# KiCad board MegaDrive.kicad_pcb (continued)
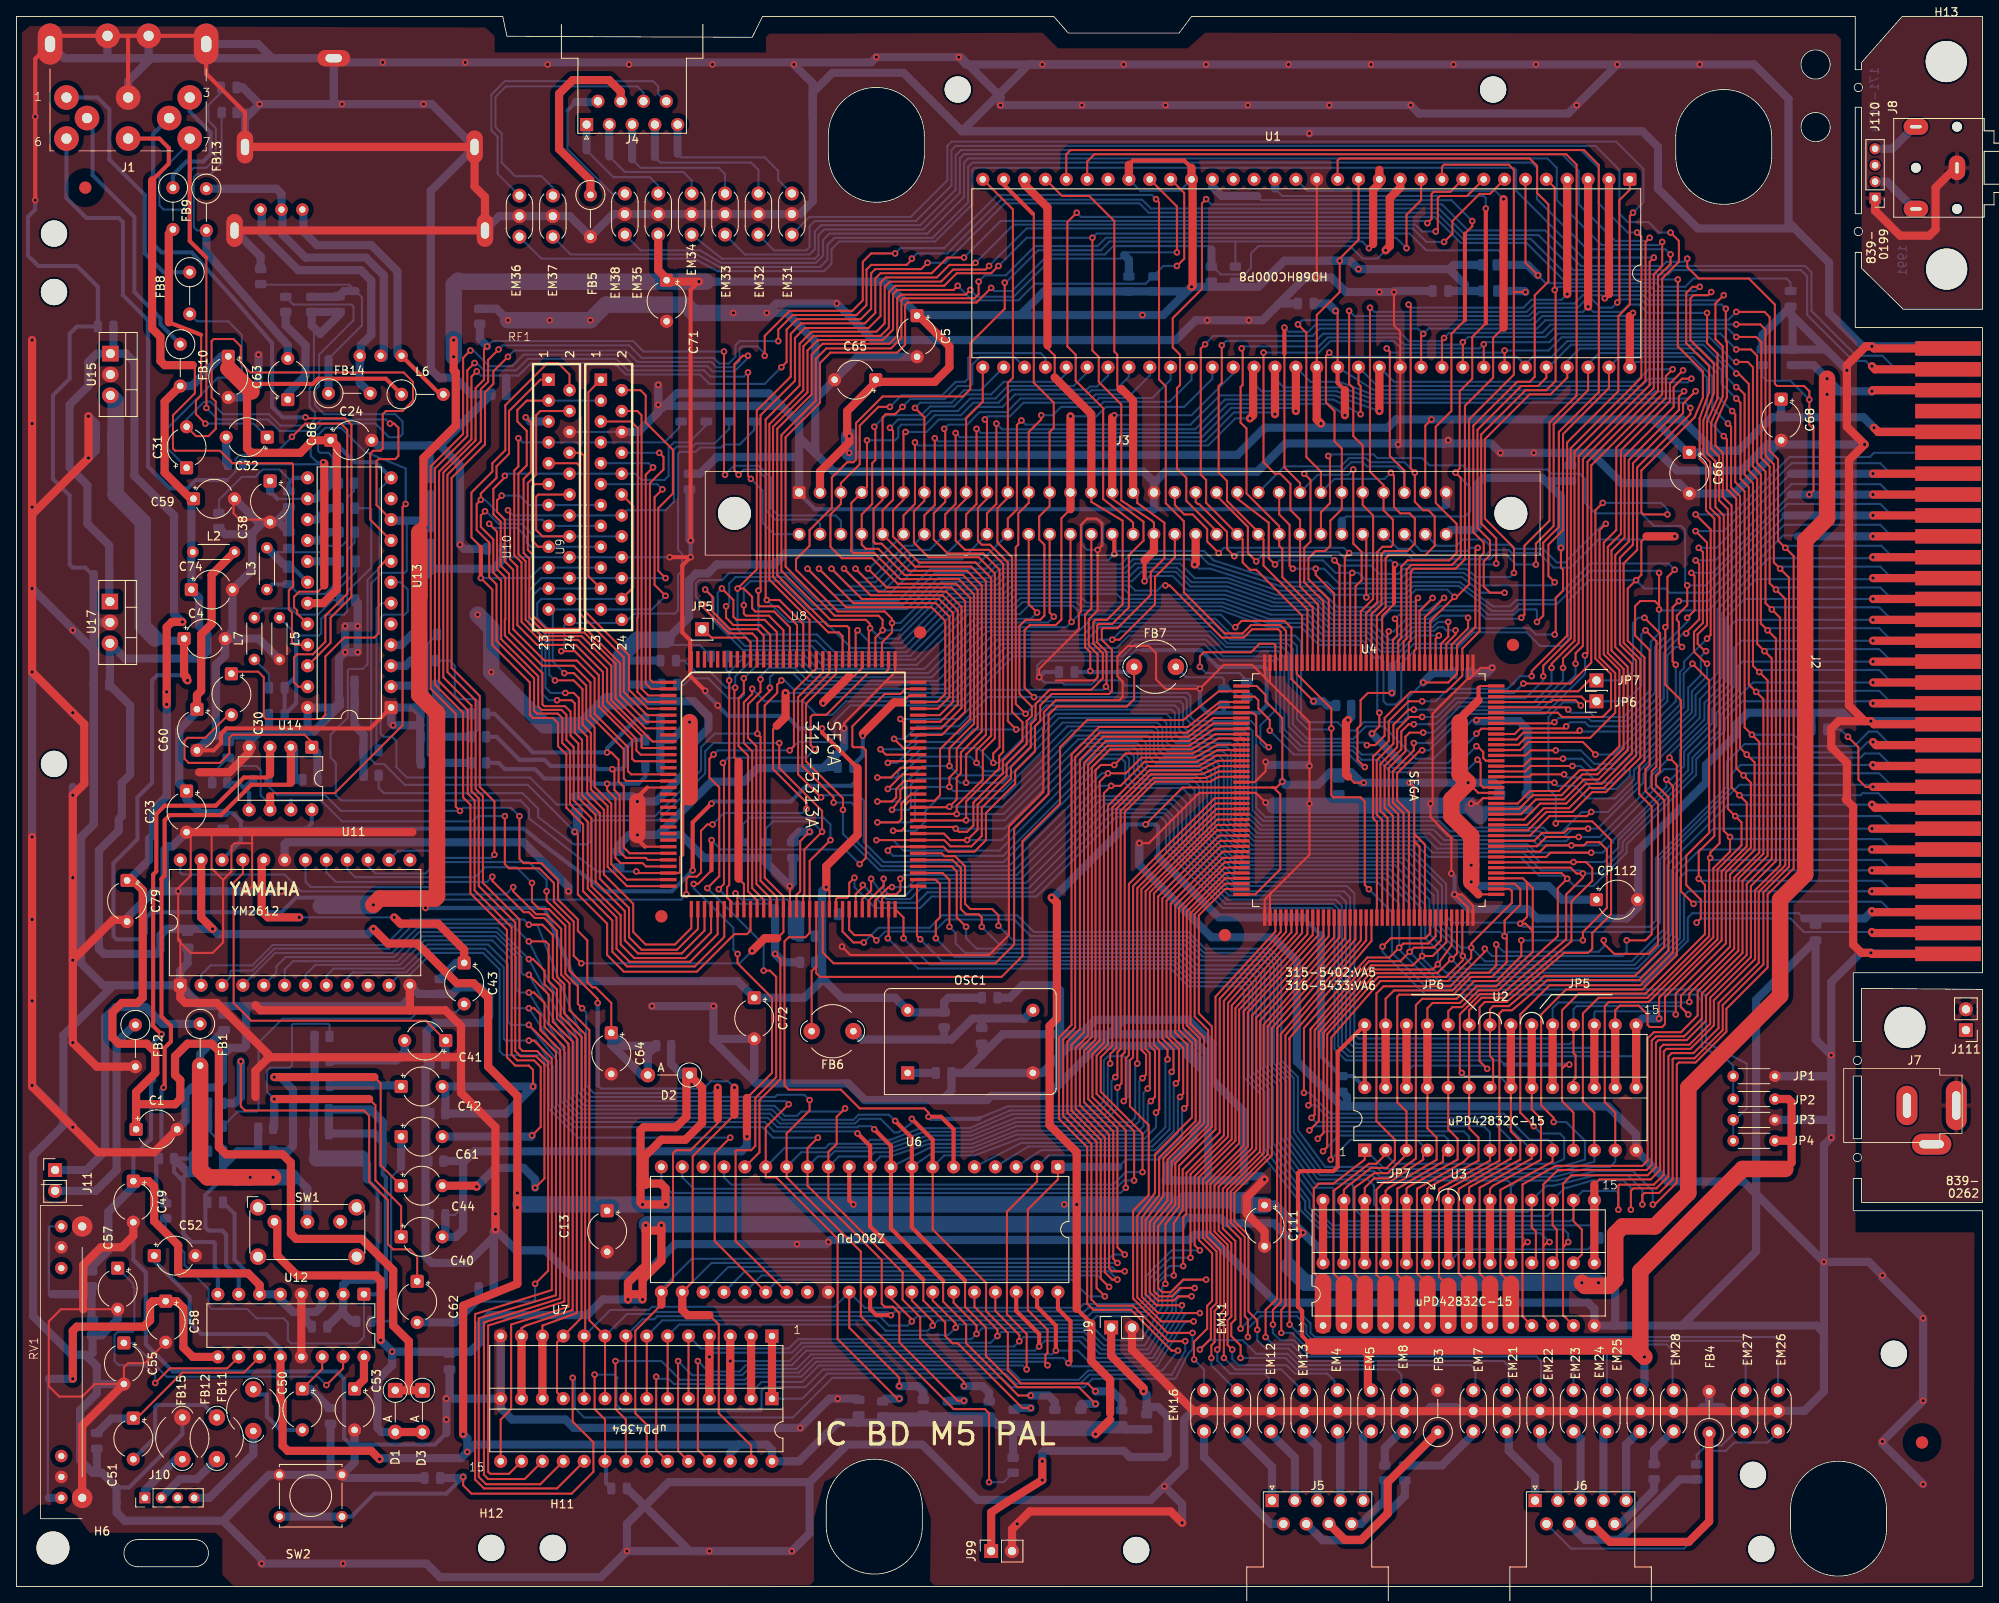
[diagram p0: board, top side]
## Routing (per net, layer and track width the routed paths; a pad name or vN(x,y) marks a point on that pad's centre or on a via; arc(x,y) is an arc through that point) (continued)
/~{CART}: length 98.7
  Top w0.25: v1(187.2,115.82) 187.32,115.95 187.32,120.27 188.21,121.16 188.21,123.7 187.96,123.95 v1(187.96,126.37) ; v1(152.53,104.14) 152.53,105.41 151.13,106.81 151.13,107.82 150.69,108.26 149.46,108.26 ; v1(167.39,108.71) 164.46,108.71 163.58,107.82 163.58,104.78 163.19,104.39 163.19,100.58 v1(164.08,99.7)
  Bottom w0.25: v1(152.53,104.14) 155.45,101.22 162.18,101.22 163.7,99.7 v1(164.08,99.7) ; v1(187.2,115.82) 184.91,115.82 184.15,116.59 177.16,116.59 175.26,114.68 170.05,114.68 167.39,112.01
  Bottom w1: 186.06,134.49 186.06,134.5 C119.1 ; 186.06,134.49 185.67,134.87 178.56,134.87 177.93,134.24 177.93,129.16 177.29,128.52 174.5,128.52 J3.b32 ; 186.06,134.49 187.96,132.59 v1(187.96,126.37) ; 167.39,112.01 v1(167.39,108.71)
/~{CAS0}: length 248.9
  Top w0.25: 179.71,105.01 187.01,105.01 v1(187.16,105.16) ; v1(204.09,83.06) 202.56,84.58 202.56,107.82 200.66,109.73 v1(200.66,116.71) 200.91,116.97 200.91,122.81 v1(201.8,123.7) ; U8.118 90.13,115.35 89.53,115.95 86.74,115.95 83.57,119.13 v1(83.57,119.51)
  Top w0.5: 133.6,127.76 v1(133.6,125.6)
  Bottom w0.25: v1(200.66,116.71) 200.66,115.57 199.39,114.3 199.39,108.71 195.96,105.28 191.64,105.28 191.26,105.66 187.67,105.66 v1(187.16,105.16) ; J2.a3 228.22,82.04 226.95,83.31 204.34,83.31 v1(204.09,83.06) ; v1(201.8,123.7) 201.04,124.46 191.52,124.46 187.07,120.02 182.5,120.02 181.74,119.25 179.7,119.25 175.64,122.17 169.8,122.17 169.04,121.41 160.27,121.41 159.51,122.17 154.05,122.17 145.67,124.84 144.53,125.98 133.99,125.98 v1(133.6,125.6) 132.84,124.84 119,124.84 117.98,123.83 111.25,123.83 107.32,119.89 97.41,119.89 93.98,123.32 86.74,123.32 85.85,122.43 83.06,122.43 82.68,122.05 82.68,120.4 v1(83.57,119.51)
/~{CAS2}: length 230.6
  Top w0.25: v1(218.19,132.84) 218.69,133.35 218.69,140.84 218.19,141.35 v1(218.19,144.4) 218.19,145.42 217.55,146.05 214.25,146.05 214,146.3 214,155.96 210.82,159.13 204.72,159.13 203.33,160.53 v1(203.33,161.54) ; v1(144.78,168.78) 144.27,168.28 144.27,157.86 140.72,154.31 140.72,150.75 141.61,149.86 141.61,146.18 141.22,145.8 141.22,136.02 142.37,134.87 142.37,132.08 146.05,128.4 ; 179.71,103.71 182.32,103.71 183.01,104.39 188.34,104.39 v1(188.6,104.65) ; v1(203.83,123.32) 204.22,122.94 204.22,118.75 v1(203.33,117.86)
  Top w1: J2.b23 v1(225.93,132.84)
  Bottom w0.25: v1(188.6,104.65) 189.1,105.16 190.88,105.16 191.39,104.65 196.21,104.65 199.9,108.33 199.9,113.92 203.33,117.35 v1(203.33,117.86) ; C93.1 212.47,147.19 212.98,146.69 215.9,146.69 v1(218.19,144.4) ; v1(203.33,161.54) 202.95,161.16 200.79,161.16 200.28,160.66 190.37,160.66 186.06,164.97 176.66,164.97 173.48,168.15 145.42,168.15 v1(144.78,168.78) ; v1(203.83,123.32) 206.38,123.32 215.9,132.84
  Bottom w1: 215.9,132.84 v1(218.19,132.84) v1(225.93,132.84)
/~{CE0}: length 205.4
  Top w0.25: v1(202.18,159) 202.18,150.88 205.23,147.83 205.23,144.65 204.22,142.24 197.74,135.76 197.74,130.68 197.99,130.43 v1(200.91,130.43) ; v1(129.03,167.13) 127.89,165.99 127.89,150.88 128.91,149.86 128.91,146.69 132.25,143.34 132.25,132.29 135.64,129.67 135.89,129.41 J3.b17 ; 179.71,106.31 187.57,106.31 188.09,105.79 193.04,105.79 194.06,106.81 194.06,111 192.15,112.9 192.15,130.94 v1(193.04,131.83)
  Bottom w0.25: v1(129.03,167.13) 129.54,166.62 172.59,166.62 175.77,163.45 183.77,163.45 188.2,159.02 202.17,159.02 v1(202.18,159) ; v1(193.04,131.83) 200.15,131.83 200.91,131.06 v1(200.91,130.43)
/~{DISK}: length 100.3
  Top w0.25: v1(189.36,99.82) 184.28,99.82 183.61,99.16 179.71,99.16 ; v1(203.96,112.27) 205.99,110.24 205.99,91.69 203.2,88.9 203.2,85.34 204.98,83.57 204.98,81.28 v1(204.47,80.77)
  Top w1: v1(225.81,79.63) 225.93,79.5 J2.b2
  Bottom w0.25: v1(225.81,79.63) 217.55,79.63 215.9,81.28 204.98,81.28 v1(204.47,80.77) ; v1(203.96,112.27) 203.96,112.14 202.89,111.07 202.89,107 195.71,99.82 195.71,99.06 194.44,97.79 192.41,97.79 190.37,99.82 v1(189.36,99.82)
/~{DTAK}: length 190
  Top w0.25: U1.10 173.48,172.72 173.74,172.97 181.61,172.97 182.23,172.36 182.23,147.43 176.78,141.99 176.78,121.92 175.26,120.4 v1(175.01,120.4) 172.06,117.45 172.06,112.01 ; U8.114 93.33,116.34 91.57,118.11 88.77,118.11 88.52,118.36 v1(88.52,119.38) ; 182.23,157.48 v1(183.64,157.48)
  Top w1: v1(143.38,124.33) 143.51,124.46 J3.b20
  Bottom w0.25: v1(175.01,120.4) 174.13,121.27 170.3,121.27 169.29,120.27 166.37,120.27 165.23,119.13 160.78,119.13 158.75,121.16 153.54,121.16 145.28,123.83 143.89,123.83 v1(143.38,124.33) 142.75,124.97 135.89,124.97 134.75,123.83 119.63,123.83 118.49,122.68 112.14,122.68 108.39,118.93 96.46,118.93 93.09,122.3 89.28,122.3 88.52,121.54 v1(88.52,119.38)
  Bottom w1: R8.1 183.51,157.61 v1(183.64,157.48)
/~{EOE}: length 145
  Top w0.25: U3.22 174.24,48.39 180.47,51.82 180.47,69.72 180.85,70.1 181.99,70.1 185.29,72.9 186.31,73.79 197.49,73.79 201.04,77.34 201.04,96.01 199.52,97.54 199.52,98.68 200.02,99.19 200.02,115.95 v1(198.12,117.86) ; 179.71,108.91 190.06,108.91 191.39,110.24 192.41,110.24
  Top w1: U3.22 U3.22
  Bottom w0.25: C117.1 191.26,41.02 175.89,41.02 U3.22 ; v1(198.12,117.86) 197.36,117.86 196.72,117.22 196.72,111.38 195.58,110.24 192.41,110.24
/~{FDC}: length 88
  Top w0.25: v1(188.34,98.81) 184.4,98.81 184.11,98.51 179.71,98.51 ; v1(204.34,128.4) 205.73,127.01 205.73,116.96 204.6,115.82 204.6,114.68 205.49,113.79 v1(205.61,113.79)
  Bottom w0.25: v1(204.34,128.4) 207.77,128.4 216.03,136.65 226.82,136.65 228.09,135.38 J2.a24 ; v1(188.34,98.81) 188.72,98.43 190.37,98.43 191.77,97.03 194.69,97.03 196.34,98.68 196.34,99.57 203.44,106.67 203.44,109.34 204.98,110.87 204.98,113.16 v1(205.61,113.79)
/~{FDHR}: length 86.3
  Top w0.25: v1(205.74,112.27) 205.61,112.27 204.15,113.73 204.15,116.14 205.23,117.22 205.23,125.86 v1(204.72,126.37) ; 179.71,97.86 187.09,97.86 v1(187.16,97.79)
  Top w1: J2.b24 v1(225.93,135.38)
  Bottom w0.25: v1(204.72,126.37) 206.88,126.37 215.25,134.74 215.28,134.74 215.92,135.38 ; v1(187.16,97.79) 187.54,97.41 189.61,97.41 191.13,95.89 194.56,95.89 196.85,98.17 196.85,99.31 203.89,106.36 203.89,108.9 205.74,110.74 v1(205.74,112.27)
  Bottom w1: v1(225.93,135.38) 215.92,135.38
/~{HALT}: length 90.8
  Top w0.25: 180.98,153.16 179.7,151.89 179.7,147.07 176.28,143.64 176.28,124.97 175.13,123.83 170.05,123.83 169.67,123.44 169.67,115.06 169.46,114.85 169.46,112.01
  Top w1: v1(180.98,168.78) 180.98,153.16
  Bottom w0.25: v1(180.98,168.78) 179.96,169.8 157.1,169.8 U1.17
/~{HL}: length 138.8
  Top w0.25: v1(89.53,109.22) 89.53,108.59 88.52,107.57 88.52,102.62 89.53,101.6 89.53,84.96 90.93,83.57 U8.44 ; 179.71,97.21 178.51,97.21 178.18,97.54 178.18,100.2 v1(177.8,100.58)
  Bottom w0.25: v1(177.8,100.58) 176.28,99.06 167.26,99.06 165.74,100.58 163.7,100.58 162.56,101.73 156.08,101.73 153.8,104.01 153.8,112.52 153.16,113.16 146.81,113.16 144.78,115.19 136.02,115.19 134.49,113.67 120.9,113.67 114.93,107.7 100.96,107.7 99.31,106.05 97.41,106.05 95.76,107.7 91.06,107.7 v1(89.53,109.22)
/~{HSYNC}: length 137.2
  Top w0.25: J3.b14 128.27,117.48 v1(128.4,117.35) ; U8.43 90.13,83.48 89.03,84.58 89.03,101.09 87.88,102.24 87.88,108.08 88.52,108.71 v1(88.52,110.49) ; v1(148.34,116.71) 149.1,117.48 154.31,117.48 155.16,116.62 155.16,110.4 v1(157.86,107.7)
  Bottom w0.25: C116.1 81.28,109.73 82.04,110.49 84.2,110.49 86.61,108.08 88.14,108.08 88.52,108.46 v1(88.52,110.49) 90.3,112.27 95.25,112.27 96.9,110.62 111.38,110.62 117.48,116.71 127.76,116.71 v1(128.4,117.35) 129.29,118.24 146.56,118.24 148.08,116.71 v1(148.34,116.71)
  Bottom w1: v1(157.86,107.7) 159,107.7 159.51,107.19 R67.1
/~{INTAK}: length 66.5
  Top w0.25: U8.103 102.13,116.1 v1(102.36,116.33) ; v1(139.83,121.79) 140.33,121.79 146.69,115.44 149.35,115.44 150.37,116.46 153.54,116.46 153.86,116.15 153.86,112.01
  Bottom w0.25: v1(102.36,116.33) 103.89,114.81 107.7,114.81 113.67,120.78 120.14,120.78 121.16,121.79 135.51,121.79 136.14,121.16 138.81,121.16 139.45,121.79 v1(139.83,121.79)
/~{INT}: length 89.6
  Top w0.25: U8.98 106.13,111.59 105.66,111.13 103.63,111.13 98.55,106.05 96.9,106.05 96.65,105.79 96.65,102.36 v1(97.16,101.85) ; v1(92.33,76.96) 92.96,76.33 92.96,61.72 90.42,59.18 90.42,52.83 U6.16 ; v1(85.98,100.2) 86.11,100.08 86.11,85.47 v1(85.47,84.84)
  Bottom w0.25: v1(85.47,84.84) 87.25,83.06 91.82,83.06 92.33,82.55 ; v1(97.16,101.85) 96.14,100.84 86.61,100.84 v1(85.98,100.2)
  Bottom w1: 92.33,82.55 v1(92.33,76.96) 93.35,75.95 R15.1
/~{IREQ}: length 191.9
  Top w0.25: v1(135,48.51) 135,55.5 130.94,59.56 130.94,64.77 132.33,66.17 132.33,96.52 v1(133.22,97.41) 134.37,97.41 137.29,100.33 143.64,100.33 146.18,101.76 149.46,101.76 ; U8.106 99.73,111.04 96.08,107.38 96.08,100.39 100.58,95.89 v1(100.58,94.49)
  Bottom w0.25: v1(135,48.51) 134.37,47.88 79.76,47.88 78.49,49.15 U6.20 ; v1(100.58,94.49) 100.58,91.57 105.03,87.12 121.41,87.12 131.7,97.41 v1(133.22,97.41)
/~{JAP}: length 64.9
  Top w0.25: v1(166.24,77.85) 167.26,78.87 171.45,78.87 172.06,79.47 172.06,81.76
  Bottom w0.25: v1(166.24,77.85) 166.24,77.22 171.45,72.01 204.34,72.01 205.11,71.25 205.11,65.66 208.41,63.88 208.92,63.37 JP2.1
/~{LDS}: length 243.2
  Top w0.25: v1(172.72,164.85) 172.97,165.1 172.97,168.91 173.23,169.16 176.53,169.16 U1.8 ; v1(175.13,116.33) 175.13,115.82 174.01,114.7 174.01,112.01 ; v1(116.71,161.04) 116.46,160.78 113.54,160.78 112.01,159.26 105.79,159.26 105.16,158.62 105.16,154.56 103.7,153.1 95.95,153.1 94.74,151.89 94.74,146.69 90.55,142.49 90.55,121.41 v1(90.3,121.16) 90.3,119.38 90.42,119.25 92.71,119.25 95,116.97 95,113.01
  Bottom w0.25: v1(116.71,161.04) 121.35,165.68 170.24,165.68 171.07,164.85 v1(172.72,164.85) ; v1(175.13,116.33) 173.99,116.33 173.61,116.71 172.99,116.71 172.97,116.69 172.97,116.59 172.87,116.59 172.54,116.26 170.11,116.26 168.02,114.17 166.37,114.17 164.41,116.14 159.33,116.14 157.23,118.24 152.65,118.24 147.07,120.14 134.49,120.14 133.86,120.78 121.79,120.78 120.78,119.76 114.43,119.76 108.33,113.67 99.57,113.67 97.41,115.82 90.8,115.82 90.3,116.33 v1(90.3,121.16)
/~{LWR}: length 315.6
  Top w0.25: v1(86.36,119.25) 86.36,117.86 87.25,116.97 90.55,116.97 91.73,115.79 U8.116 ; 179.71,106.96 188.57,106.96 v1(188.85,106.68) ; v1(164.27,120.34) 164.27,127.58 ; U2.27 166.62,71.5 167.64,72.52 174.75,72.52 176.91,74.68 179.2,74.68 180.09,75.57 v1(180.09,78.11) ; v1(199.9,123.32) v1(199.9,118.87) 199.9,119.38 199.39,119.89 197.61,119.89 196.98,119.25 196.98,115.7 198.75,113.92 198.75,99.95 198.25,99.44 198.25,96.77 199.77,95.25 199.77,78.11 198.63,76.96 194.44,76.96 193.17,78.23 v1(193.17,78.61)
  Top w1: J2.b21 v1(225.93,127.76) ; U2.27 U2.27
  Bottom w0.25: v1(188.85,106.68) 189.23,106.3 191.52,106.3 192.02,105.79 195.58,105.79 198.88,109.09 198.88,114.94 199.9,115.95 v1(199.9,118.87) 200.02,118.75 205.87,118.75 215.01,127.89 216.66,127.89 216.79,127.76 ; v1(199.9,123.32) 199.64,123.57 191.52,123.57 187.45,119.51 182.88,119.51 182.06,118.69 179.58,118.69 178.24,119.7 177.8,120.02 175.81,121.5 175.5,121.72 169.99,121.72 169.04,120.78 164.71,120.78 v1(164.27,120.34) 163.96,120.65 160.15,120.65 159.13,121.67 153.92,121.67 145.03,124.46 144.02,125.48 135.51,125.48 134.37,124.33 119.38,124.33 118.36,123.32 111.76,123.32 107.82,119.38 96.9,119.38 93.47,122.81 87.5,122.81 86.74,122.05 86.74,119.63 v1(86.36,119.25) ; v1(180.09,78.11) 180.98,77.22 192.53,77.22 193.17,77.85 v1(193.17,78.61)
  Bottom w1: v1(225.93,127.76) 216.79,127.76
/~{M1}: length 182.5
  Top w0.25: v1(84.07,84.96) 85.53,86.42 85.53,97.22 84.33,98.43 84.33,100.71 v1(84.84,101.22) ; 149.46,106.31 150.49,106.31 150.88,105.92 150.88,103.63 v1(152.4,102.11) ; U6.27 87.52,42.02 87.52,52.98 87.63,53.09 89.41,53.09 89.92,53.59 89.92,59.44 92.46,61.98 92.46,74.17 91.69,74.93 v1(90.93,74.93) ; v1(94.11,101.73) 94.61,102.24 94.61,108.97 97.33,111.68 U8.109
  Bottom w0.25: v1(84.07,84.96) 90.93,78.11 v1(90.93,74.93) ; v1(152.4,102.11) 151.89,102.11 151.38,102.62 151.38,104.78 153.29,106.68 153.29,112.27 152.91,112.65 146.56,112.65 144.53,114.68 136.14,114.68 134.62,113.16 121.29,113.16 115.32,107.19 101.47,107.19 99.57,105.28 99.57,103.38 98.93,102.74 95.12,102.74 v1(94.11,101.73) 85.34,101.73 v1(84.84,101.22)
/~{M3}: length 164.7
  Top w0.25: v1(171.2,109.98) 174.24,109.98 175.31,111.04 175.31,114.47 177.55,116.71 177.55,126.07 v1(177.84,126.37) ; U8.45 91.73,83.78 90.04,85.47 90.04,102.24 89.03,103.25 89.03,107.32 90.55,108.84 v1(90.55,110.36)
  Bottom w0.25: J3.b30 170.94,125.98 176.53,125.98 176.91,126.37 v1(177.84,126.37) ; v1(171.2,109.98) 169.33,108.11 169.33,105.83 168.66,105.16 163.96,105.16 162.94,104.14 161.8,104.14 160.78,105.16 156.97,105.16 156.34,105.79 156.34,114.94 155.57,115.7 147.95,115.7 145.92,117.73 130.81,117.73 129.29,116.21 118.11,116.21 112.07,110.17 96.33,110.17 94.74,111.76 91.57,111.76 90.55,110.74 v1(90.55,110.36)
  Bottom w1: v1(171.2,109.98) 172.34,111.13 C77.2
/~{MREQ}: length 124.3
  Top w0.25: v1(136.02,49.4) 136.02,55.37 131.44,59.94 131.44,64.58 132.84,65.98 132.84,95 137.67,99.82 143.89,99.82 146.05,101.11 149.46,101.11
  Bottom w0.25: v1(136.02,49.4) 134.75,49.4 133.73,48.39 82.42,48.39 81.03,49.78 U6.19
/~{MRES}: length 211.7
  Top w0.25: v1(89.03,149.73) 88.39,149.73 87.38,148.72 87.38,135.76 v1(87.88,135.25) ; v1(61.21,93.73) 61.21,88.52 61.72,88.01 63.88,88.01 65.91,85.98 65.91,83.57 68.33,81.15 68.33,79.76 69.47,78.61 69.47,73.53 70.1,72.9 70.48,72.9 72.39,70.99 C64.1 ; v1(53.97,94.36) 53.47,94.87 53.47,106.17 50.42,109.22 50.42,136.27 54.36,140.21 54.36,149.48 v1(55.25,150.37)
  Bottom w0.25: v1(89.03,149.73) 89.03,149.48 87.38,147.83 84.71,147.83 84.07,148.46 75.18,148.46 73.79,149.86 61.72,149.86 60.33,148.46 57.53,148.46 55.63,150.37 v1(55.25,150.37) ; R64.1 30.65,97.36 31.75,96.27 37.59,96.27 39.5,94.36 v1(53.97,94.36) 54.36,94.74 60.2,94.74 v1(61.21,93.73) ; J3.b2 97.79,129.29 97.28,129.79 92.33,129.79 91.26,130.87 91.26,134.81 90.17,135.89 88.52,135.89 v1(87.88,135.25)
  Bottom w1: C64.1 72.39,65.91 76.07,62.23 D2.2 76.84,64.77 R1.2 73.96,65.79 C64.1
/~{NMI}: length 118.5
  Top w0.25: v1(137.03,50.42) 137.03,55.12 131.95,60.2 131.95,64.39 133.35,65.79 133.35,94.74 137.92,99.31 144.02,99.31 146.18,100.46 149.46,100.46
  Bottom w0.25: U6.17 86.11,49.78 87,48.9 133.48,48.9 135,50.42 v1(137.03,50.42)
/~{NOE}: length 99.4
  Top w0.25: 179.72,108.27 190.43,108.27 191.01,107.7 192.41,107.7 ; 179.7,61.09 179.7,64.14 179.32,64.52 U2.22 179.32,70.23 179.7,70.61 181.61,70.61 185.55,73.91 185.93,74.3 196.98,74.3 200.53,77.85 200.53,95.63 199.01,97.16 199.01,99.19 199.57,99.75 199.57,115 v1(198.25,116.33)
  Bottom w0.25: v1(198.25,116.33) 197.74,115.82 197.74,109.6 195.83,107.7 192.41,107.7
/~{OE0}: length 133.2
  Top w0.25: v1(164.97,103.76) 165.86,104.65 v1(165.86,106.3) ; v1(83.82,121.29) 84.71,120.4 84.71,118.62 86.87,116.46 90.17,116.46 90.93,115.7 U8.117 ; 179.71,104.36 178.27,104.36 v1(177.67,103.76)
  Bottom w0.25: v1(177.67,103.76) 177.67,103.63 174.24,100.2 168.53,100.2 168.15,100.58 ; v1(83.82,121.29) 84.84,120.27 84.84,117.48 88.39,113.92 96.27,113.92 98.04,112.14 109.6,112.14 115.76,118.3 122.11,118.3 123.12,119.31 128.59,119.31 129.16,118.75 146.69,118.75 152.27,116.71 156.34,116.71 158.5,114.55 163.7,114.55 165.61,112.65 165.61,106.55 v1(165.86,106.3)
  Bottom w1: v1(164.97,103.76) 168.15,100.58
/~{R/W}: length 242.2
  Top w0.25: v1(115.32,161.67) 113.28,161.67 111.38,159.77 105.16,159.77 104.52,159.13 104.52,154.94 103.25,153.67 95.5,153.67 94.23,152.4 94.23,147.19 90.1,143.06 90.1,123.76 v1(87.76,121.41) 88.52,121.41 89.53,120.4 89.53,119 89.92,118.62 92.2,118.62 94.13,116.69 U8.113 ; v1(173.1,115.7) 172.71,115.3 172.71,112.01 ; U1.9 174.5,169.67 172.47,169.67 172.21,169.42 172.21,166.37 v1(171.7,165.86)
  Bottom w0.25: v1(173.1,115.7) 170.31,115.7 168.33,113.72 166.06,113.72 164.1,115.69 159.01,115.69 156.97,117.73 152.4,117.73 146.81,119.69 130.24,119.69 129.67,120.27 122.17,120.27 121.16,119.25 114.81,119.25 108.77,113.22 99.13,113.22 97.28,115.06 89.15,115.06 87.76,116.46 v1(87.76,121.41) ; v1(115.32,161.67) 119.77,166.13 171.44,166.13 v1(171.7,165.86)
/~{RAS0}: length 41.5
  Top w0.25: U8.119 89.33,114.88 88.77,115.44 84.58,115.44 83.57,116.46 ; U2.20 184.4,58.04 185.53,56.91 185.53,51.93 179.7,48.77 179.32,48.39 U3.20
  Top w1: U2.20 U2.20 ; U3.20 U3.20
/~{RAS2}: length 77
  Top w0.25: v1(190.25,104.14) 189.99,103.89 183.39,103.89 182.56,103.06 179.71,103.06 ; v1(203.2,115.95) 203.2,116.08 204.78,117.66 204.78,124.4 v1(204.34,124.84)
  Bottom w0.25: v1(204.34,124.84) 206.73,124.84 216,134.11 226.82,134.11 228.09,132.84 J2.a23 ; v1(203.2,115.95) 202.82,115.95 200.46,113.6 200.46,108.01 196.47,104.01 190.37,104.01 v1(190.25,104.14)
/~{REF}: length 167.4
  Top w0.25: 149.46,106.96 146.33,106.96 146.32,106.95 142.49,103.89 131.83,103.89 128.85,100.91 128.85,68.01 127.38,66.55 127.38,57.28 130.81,53.85 130.81,34.93 131.57,34.16 135.89,34.16 140.21,29.85 v1(142.24,29.85)
  Top w1: U7.1 U7.1
  Bottom w0.25: U7.1 95.63,22.86 98.68,25.91 120.4,25.91 121.61,24.7 129.47,24.7 130.56,25.78 140.59,25.78 142.24,28.7 v1(142.24,29.85)
/~{ROM}: length 76.2
  Top w0.25: v1(201.93,112.14) 201.55,112.52 201.55,119.13 v1(202.31,119.89) ; 179.71,101.11 183.66,101.11 184.28,101.73 v1(187.32,101.73)
  Bottom w0.25: v1(201.93,112.14) 201.93,107.7 194.31,100.08 192.02,100.08 190.37,101.73 v1(187.32,101.73) ; J2.a21 228.22,127.76 226.82,129.16 215.14,129.16 205.87,119.89 v1(202.31,119.89)
/~{SOUND}: length 243.2
  Top w0.25: v1(91.06,149.73) 91.06,152.15 94.11,155.19 101.73,155.19 103,156.46 103,161.16 104.01,162.18 v1(106.93,162.18) ; 154.51,112.01 154.51,116.26 153.8,116.97 150.24,116.97 149.22,115.95 147.07,115.95 142.07,120.95 142.07,129.58 139.87,131.78 139.87,146.01 139.05,146.83 139.05,168.42 v1(138.68,168.78) ; v1(59.82,149.61) 58.04,147.83 58.04,146.3 57.02,145.29 57.02,138.94 52.96,134.87 52.96,111.76 56.39,108.33 56.39,97.28 58.17,95.5 v1(58.17,89.03)
  Bottom w0.25: v1(91.06,149.73) 91.06,149.99 90.17,150.88 88.27,150.88 88.01,150.62 88.01,149.1 87.25,148.34 85.22,148.34 84.58,148.97 75.56,148.97 74.17,150.37 60.58,150.37 v1(59.82,149.61) ; U11.14 46.46,89.52 50.56,89.52 51.44,88.65 57.78,88.65 v1(58.17,89.03) ; v1(106.93,162.18) 107.57,162.81 112.9,162.81 119.38,169.29 138.18,169.29 v1(138.68,168.78)
/~{SRES}: length 246.1
  Top w0.25: 92.84,79.12 93.33,79.62 U8.47 93.33,83.96 91.06,86.23 91.06,107.19 92.58,108.71 92.58,109.73 v1(93.09,110.24) ; v1(68.74,75.82) 67.82,76.75 67.82,80.9 65.41,83.31 65.41,85.6 63.63,87.38 59.94,87.38 59.44,87.88 v1(59.44,93.73) ; 179.71,105.66 177.92,105.66 v1(177.67,105.41)
  Top w1: v1(89.53,77.34) 91.06,78.87 92.58,78.87
  Bottom w0.25: v1(93.09,110.24) 93.47,110.24 94.49,109.22 113.41,109.22 119.38,115.19 130.3,115.19 131.88,116.77 145.36,116.77 147.39,114.74 154.63,114.74 155.32,114.05 155.32,104.9 157.1,103.12 162.69,103.12 164.21,104.65 166.37,104.65 170.31,100.71 172.47,100.71 177.17,105.41 v1(177.67,105.41) ; v1(68.74,75.82) 88.01,75.82 v1(89.53,77.34) ; R65.2 23.83,98.89 C118.1 26.8,99.82 29.21,99.82 29.72,99.31 29.72,96.27 30.35,95.63 37.08,95.63 39.62,93.09 55.5,93.09 56.13,93.73 v1(59.44,93.73)
  Bottom w0.5: U14.7 33.4,95.63
  Bottom w1: C85.2 183.9,104.27 182.88,105.28 177.73,105.28 177.67,105.34
/~{TIME}: length 66.5
  Top w0.25: 179.71,102.41 182.8,102.41 183.64,103.25 191.52,103.25 194.56,106.3 194.56,111.13 192.66,113.03 192.66,128.52 v1(193.42,129.29)
  Bottom w0.25: v1(193.42,129.29) 193.17,129.29 188.47,124.59 187.45,124.59 185.8,126.24 182.25,126.24 181.74,126.75 179.2,126.75 178.56,127.38 176.02,127.38 175.26,126.62 172.85,126.62 J3.b31
/~{UDS}: length 239
  Top w0.25: 95.76,112.97 95.76,117.09 92.84,120.02 v1(91.31,120.02) 91.17,120.15 91.17,141.98 95.31,146.11 95.31,151.19 96.77,152.65 104.65,152.65 105.66,153.67 105.66,158.12 106.3,158.75 112.52,158.75 113.99,160.22 117.92,160.22 v1(118.36,160.66) ; v1(173.74,163.58) 174.75,164.59 174.75,166.12 178.05,169.42 179.32,169.42 U1.7 ; 173.36,112.01 173.36,114.68 174.24,115.57 v1(174.24,117.35)
  Bottom w0.25: v1(118.36,160.66) 122.94,165.23 169.93,165.23 171.58,163.58 v1(173.74,163.58) ; v1(174.24,117.35) 173.05,117.35 172.85,117.21 172.36,116.71 169.93,116.71 167.89,114.68 166.62,114.68 164.72,116.59 159.76,116.59 157.55,118.8 152.65,118.8 147.07,120.65 135.51,120.65 134.87,121.29 121.41,121.29 120.4,120.27 114.05,120.27 107.95,114.17 101.6,114.17 98.42,117.35 93.98,117.35 v1(91.31,120.02)
/~{UWR}: length 366.5
  Top w0.25: U8.115 92.53,116.13 91.06,117.6 87.63,117.6 87.25,117.98 87.25,120.02 v1(85.85,121.41) ; 198.37,127.76 197.74,127.13 197.74,123.06 v1(197.1,122.43) 196.09,121.41 196.09,115.06 198.12,113.03 198.12,100.46 197.49,99.82 197.49,96.39 199.01,94.87 199.01,79.38 198.25,78.61 v1(195.96,78.61) ; v1(178.69,77.6) 178.69,77.22 174.5,73.03 166.37,73.03 165.5,72.15 165.5,56.62 167.75,54.37 167.75,51.93 166.75,50.93 164.85,50.93 161.93,48.64 161.54,48.26 U3.27
  Top w1: U3.27 U3.27 ; v1(201.8,127.76) 198.37,127.76 ; J2.b22 v1(225.93,130.3)
  Bottom w0.25: 215.26,130.3 205.87,120.9 201.17,120.9 200.66,121.41 198.12,121.41 v1(197.1,122.43) 191.39,122.43 188.85,119.89 188.85,115.19 188.09,114.43 185.42,114.43 183.77,116.08 177.29,116.08 175.39,114.17 170.43,114.17 168.53,112.27 168.53,107.95 167.89,107.32 166.75,107.32 166.37,107.7 166.37,112.52 163.83,115.06 158.75,115.06 156.59,117.22 152.27,117.22 146.63,119.24 129.55,119.24 129.03,119.76 122.43,119.76 121.41,118.75 115.32,118.75 109.34,112.77 98.44,112.77 96.77,114.43 88.65,114.43 85.34,117.73 85.34,120.9 v1(85.85,121.41) ; v1(195.96,78.61) 195.96,77.22 195.45,76.71 179.58,76.71 v1(178.69,77.6) ; v1(201.8,127.76) 201.42,127.38 192.53,127.38 189.1,123.95 187.07,123.95 185.29,125.73 181.99,125.73 181.61,126.11 179.45,126.11 178.82,125.48 170.31,125.48 169.55,126.24 168.15,126.24 J3.b29
  Bottom w1: v1(225.93,130.3) 215.26,130.3
/~{VDPM}: length 106.7
  Top w0.25: 101.35,110.74 101.92,110.74 102.93,111.75 U8.102 ; v1(98.17,107.44) 98.17,107.57 ; 179.71,100.46 178.83,100.46 178.51,100.78 178.51,101.53 177.8,102.24 v1(177.67,102.24)
  Top w1: 98.17,107.57 101.35,110.74
  Bottom w0.25: v1(98.17,107.44) 98.93,108.2 114.3,108.2 120.27,114.17 133.86,114.17 135.38,115.7 145.03,115.7 146.94,113.79 153.54,113.79 154.31,113.03 154.31,104.27 156.35,102.22 162.7,102.22 163.7,101.22 165.86,101.22 167.51,99.57 175.01,99.57 v1(177.67,102.24)
/~{VPA}: length 97.2
  Top w0.25: v1(177.17,166.12) 177.17,165.48 176.28,164.59 ; 168.16,112.01 168.16,115.07 168.53,115.44 168.53,124.08 169.29,124.84 174.37,124.84 175.26,125.73 175.26,129.29 172.72,131.83 172.72,141.1 174.62,143 174.62,152.4 176.28,154.05
  Top w0.5: 176.28,154.05 176.28,164.59
  Bottom w0.25: 151,169.16 151.51,168.66 174.62,168.66 v1(177.17,166.12)
  Bottom w1: U1.21 145.54,170.31 146.69,169.16 151,169.16
/~{VRES}: length 114.9
  Top w0.25: 168.81,112.01 168.81,114.96 169.16,115.32 169.16,123.7 169.74,124.28 174.69,124.28 175.77,125.35 175.77,134.87 v1(175.13,135.51) 175.64,136.02 175.64,145.42 177.17,146.94 177.17,152.02 178.82,153.67
  Top w0.5: 178.82,153.67 v1(178.82,167.64)
  Bottom w0.25: 161.29,129.67 161.8,130.18 176.28,130.18 176.91,130.81 176.91,133.73 v1(175.13,135.51) ; v1(178.82,167.64) 178.82,168.91 178.56,169.16 154.05,169.16 153.16,170.05
  Bottom w1: 161.29,129.67 J3.b27 ; 153.16,170.05 U1.18
/~{VSYNC}: length 90.8
  Top w0.25: v1(126.24,117.98) 125.73,118.49 J3.b13 ; v1(87.47,109.35) 87.38,109.26 87.38,100.84 87.88,100.33 ; U8.41 88.53,85.47 87.88,86.12
  Top w1: 87.88,86.12 87.88,100.33
  Bottom w0.25: v1(126.24,117.98) 125.53,117.28 117.15,117.28 111,111.13 97.16,111.13 95.5,112.78 89.53,112.78 87.47,110.71 v1(87.47,109.35) 86.36,109.35 84.45,111.25 82.68,111.25 81.28,112.65 C115.1
/~{YS}: length 85.9
  Top w0.25: v1(86.74,110.24) 86.74,85.34 86.49,85.09 86.49,83.82 86.93,83.37 U8.39 ; J3.b12 123.19,119.51 v1(124.21,118.49)
  Bottom w0.25: 86.74,111.13 v1(86.74,110.24) ; 86.74,111.13 86.42,111.45 C110.1 89.03,113.16 89.15,113.28 ; 86.74,111.13 86.74,111.25 88.77,113.28 89.15,113.28 ; 89.15,113.28 95.89,113.28 97.54,111.63 110.49,111.63 116.59,117.73 123.44,117.73 v1(124.21,118.49)
/~{ZBAK}: length 137.9
  Top w0.25: 149.46,103.71 145.92,103.71 143,101.85 133.1,101.85 130.87,99.63 130.87,66.86 129.41,65.41 129.41,58.55 132.97,54.99 132.97,38.74 133.35,38.35 v1(134.87,38.35)
  Bottom w0.25: U6.23 86.61,38.86 133.35,38.86 133.86,38.35 v1(134.87,38.35)
/~{ZRAM}: length 200.9
  Top w0.25: v1(70.36,25.78) 70.36,21.59 71.63,20.32 U7.20 ; v1(141.35,28.7) 140.59,28.7 135.64,33.66 131.06,33.66 130.3,34.42 130.3,53.47 126.87,56.9 126.87,66.8 128.4,68.33 128.4,101.22 131.74,104.57 142.54,104.57 146.43,107.61 149.46,107.61
  Bottom w0.25: v1(70.36,25.78) 72.77,25.78 73.15,25.4 73.04,25.29 73.04,22.08 73.79,21.34 90.55,21.34 90.68,21.46 90.68,23.84 91.1,24.26 96.01,24.26 98.17,26.42 120.9,26.42 122.17,25.15 129.29,25.15 130.43,26.29 139.45,26.29 v1(141.35,28.7)
  Bottom w0.5: C114.1 71.75,12.58 71.75,15.11
/~{ZRD}: length 322.6
  Top w0.25: v1(68.83,70.36) 68.33,70.87 68.33,73.03 66.8,74.55 66.8,80.39 64.77,82.42 63.63,82.42 62.74,83.31 v1(62.74,85.6) ; U6.21 79.9,37.23 79.9,52.72 80.26,53.09 82.04,53.09 85.34,56.39 85.34,56.9 ; v1(134.87,40.39) 133.99,41.28 133.99,55.75 130.43,59.31 130.43,65.02 131.83,66.42 131.83,97.92 v1(132.84,98.93) 135,98.93 136.91,100.84 143.38,100.84 146.18,102.41 149.46,102.41 ; 78.49,34.29 75.31,31.12 75.31,21.08 76.71,19.69 U7.22 ; U8.107 98.93,111.13 95.63,107.82 95.63,99.82 99.44,96.01 v1(99.44,95.38)